# KiCad board 8851_HW-U1-VCU118_REV2-0_071417.kicad_pcb (continued)
## Routing (per net, layer and track width the routed paths; a pad name or vN(x,y) marks a point on that pad's centre or on a via; arc(x,y) is an arc through that point) (continued)
10N9607: length 0.7
  TOP w0.15: 134.58,50.53 v2(135.08,50.04)
10N9644: length 0.7
  TOP w0.15: 133.6,51.52 v2(134.09,51.03)
10N9645: length 0.7
  TOP w0.15: v2(139.01,48.07) 138.52,48.57
11N5838: length 0.7
  TOP w0.15: 117.85,49.55 v2(118.34,49.06)
11N5839: length 0.7
  TOP w0.15: 117.85,50.53 v2(118.34,50.04)
11N8666: length 0.7
  TOP w0.15: v2(126.22,50.04) 125.73,50.53
11N8667: length 0.7
  TOP w0.15: v2(126.22,49.06) 125.73,49.55
11N8774: length 0.7
  TOP w0.15: v2(113.42,50.04) 113.91,50.53
11N8775: length 0.7
  TOP w0.15: v2(113.42,49.06) 113.91,49.55
11N9044: length 0.7
  TOP w0.15: 127.69,50.53 v2(128.19,50.04)
11N9045: length 0.7
  TOP w0.15: 127.69,49.55 v2(128.19,49.06)
12N5415: length 0.7
  TOP w0.15: 131.63,62.35 v2(132.12,61.85)
17N1467: length 2.1
  TOP w0.138: U19.18 61.08,141.57 61.27,141.38 61.56,141.38 v3(62.06,141.88)
17N1575: length 3.4
  TOP w0.15: 6.05,169.16 6.05,167.56 v3(5.67,167.18)
  BOTTOM w0.138: R575.2 v3(5.67,167.18)
17N1576: length 22
  TOP w0.15: v3(11.1,165.23) 10.97,165.35 10.97,169.16
  TOP w0.375: v3(16.8,152.38) 16.8,150.28 16.49,149.96 U115.3 15.11,149.96 14.88,150.2 v3(14.88,152.38)
  BOTTOM w0.15: v3(11.1,165.23) 13,163.32 13,159.8 9.67,156.47 R574.2
17N1577: length 20.2
  TOP w0.15: 15.89,169.16 15.89,166.57 14.95,165.62 14.95,155.1 13.75,153.9 v3(11,153.9)
  BOTTOM w0.15: R573.2 v3(11,153.9)
17N1924: length 4.9
  TOP w0.15: U19.2 v3(52.48,144.77)
  BOTTOM w0.15: 54.16,146.76 53.73,146.33 53.73,145.68 52.82,144.77 v3(52.48,144.77)
17N2056: length 1.2
  BOTTOM w0.15: U13.4 36.37,67.54 v3(36.51,67.41)
17N2120: length 5
  TOP w0.15: 4.05,81.66 6.14,81.66 6.58,82.1 v3(6.58,83.3)
  BOTTOM w0.15: v3(6.58,83.3) 7.12,82.76 7.48,82.76
17N2123: length 11
  TOP w0.375: 4.37,85.4 4.02,85.4 3.1,86.33 1.3,86.33 ; 4.37,85.4 4.37,84.49 4.37,84.49 ; 4.37,85.4 4.57,85.4 5.54,86.37 R1324.1 ; 1.29,78.3 3.42,78.3 4.37,79.25 4.37,80.11 4.37,80.11
17N2634: length 64.5
  TOP w0.15: 3.34,154.64 v3(3.34,152.22)
  07_SIG3 w0.17: v3(3.34,152.22) 6.69,148.88 21.57,148.88 25.15,145.3 26,145.3 27.45,143.85 27.45,143 30.43,140.03 40.77,140.03 41.15,140.4 42.2,140.4 42.9,139.7 42.9,131.15 46.5,127.55 J17.1
17N2635: length 23.3
  TOP w0.15: 3.34,159.56 v3(1.18,159.56)
  03_SIG1 w0.17: J18.1 9.12,144.18 9.12,148.88 6.42,151.58 6.42,154.32 v3(1.18,159.56)
17N2674: length 32.2
  TOP w0.15: 3.34,164.48 v3(3.34,166.96)
  05_SIG2 w0.17: J19.1 10.75,152.88 10.22,153.4 10.22,155.83 10.8,156.41 10.8,164.78 10.07,165.5 10.07,166.37 8.3,168.15 4.53,168.15 v3(3.34,166.96)
  BOTTOM w0.15: R140.2 3.48,166.82 v3(3.34,166.96)
18N3158: length 0.6
  BOTTOM w0.15: 67.67,39.61 v1(67.28,39.21)
18N4182: length 0.6
  BOTTOM w0.15: 67.67,67.36 v1(67.28,66.96)
20N153: length 0.6
  BOTTOM w0.15: 67.67,95.11 v1(67.28,94.71)
20N1721: length 0.6
  BOTTOM w0.15: 67.67,81.23 v1(67.28,80.84)
21N4739: length 2.4
  TOP w0.375: R565.2 82.45,92.29 R566.2 C639.2
21N5660: length 0.6
  BOTTOM w0.15: 67.67,53.48 v1(67.28,53.09)
22N1524: length 0.9
  TOP w0.15: J22.B1 v3(105.25,157)
22N1551: length 0.9
  TOP w0.15: J22.D34 v3(64,159.5)
22N1554: length 0.9
  TOP w0.15: J22.B40 v3(56.5,157)
23N1212: length 0.9
  TOP w0.15: J22.E21 v3(80.25,160.75)
23N1215: length 0.9
  TOP w0.15: J22.E22 v3(79,160.75)
23N1218: length 0.9
  TOP w0.15: J22.E24 v3(76.5,160.75)
23N1220: length 0.9
  TOP w0.15: J22.E25 v3(75.25,160.75)
23N1224: length 0.9
  TOP w0.15: J22.E27 v3(72.75,160.75)
23N1226: length 0.9
  TOP w0.15: J22.E28 v3(71.5,160.75)
23N1230: length 0.9
  TOP w0.15: J22.E30 v3(69,160.75)
23N1232: length 0.9
  TOP w0.15: J22.E31 v3(67.75,160.75)
23N1236: length 0.9
  TOP w0.15: J22.E33 v3(65.25,160.75)
23N1238: length 0.9
  TOP w0.15: J22.E34 v3(64,160.75)
23N1242: length 0.9
  TOP w0.15: J22.E36 v3(61.5,160.75)
23N1244: length 0.9
  TOP w0.15: J22.E37 v3(60.25,160.75)
23N1248: length 0.9
  TOP w0.15: J22.F22 v3(79,162)
23N1251: length 0.9
  TOP w0.15: J22.F23 v3(77.75,162)
23N1254: length 0.9
  TOP w0.15: J22.F25 v3(75.25,162)
23N1256: length 0.9
  TOP w0.15: J22.F26 v3(74,162)
23N1260: length 0.9
  TOP w0.15: J22.F28 v3(71.5,162)
23N1262: length 0.9
  TOP w0.15: J22.F29 v3(70.25,162)
23N1266: length 0.9
  TOP w0.15: J22.F31 v3(67.75,162)
23N1268: length 0.9
  TOP w0.15: J22.F32 v3(66.5,162)
23N1272: length 0.9
  TOP w0.15: J22.F34 v3(64,162)
23N1274: length 0.9
  TOP w0.15: J22.F35 v3(62.75,162)
23N1278: length 0.9
  TOP w0.15: J22.F37 v3(60.25,162)
23N1280: length 0.9
  TOP w0.15: J22.F38 v3(59,162)
24N1169: length 0.9
  TOP w0.15: J22.J24 v3(76.5,165.75)
24N1172: length 0.9
  TOP w0.15: J22.J25 v3(75.25,165.75)
24N1175: length 0.9
  TOP w0.15: J22.J27 v3(72.75,165.75)
24N1178: length 0.9
  TOP w0.15: J22.J28 v3(71.5,165.75)
24N1181: length 0.9
  TOP w0.15: J22.J30 v3(69,165.75)
24N1184: length 0.9
  TOP w0.15: J22.J31 v3(67.75,165.75)
24N1187: length 0.9
  TOP w0.15: J22.J33 v3(65.25,165.75)
24N1189: length 0.9
  TOP w0.15: J22.J34 v3(64,165.75)
24N1193: length 0.9
  TOP w0.15: J22.J36 v3(61.5,165.75)
24N1195: length 0.9
  TOP w0.15: J22.J37 v3(60.25,165.75)
24N1199: length 0.9
  TOP w0.15: J22.J39 v3(57.75,165.75)
24N1202: length 0.9
  TOP w0.15: J22.K25 v3(75.25,167)
24N1205: length 0.9
  TOP w0.15: J22.K26 v3(74,167)
24N1208: length 0.9
  TOP w0.15: J22.K28 v3(71.5,167)
24N1211: length 0.9
  TOP w0.15: J22.K29 v3(70.25,167)
24N1214: length 0.9
  TOP w0.15: J22.K31 v3(67.75,167)
24N1217: length 0.9
  TOP w0.15: J22.K32 v3(66.5,167)
24N1220: length 0.9
  TOP w0.15: J22.K34 v3(64,167)
24N1223: length 0.9
  TOP w0.15: J22.K35 v3(62.75,167)
24N1226: length 0.9
  TOP w0.15: J22.K37 v3(60.25,167)
24N1229: length 0.9
  TOP w0.15: J22.K38 v3(59,167)
24N1232: length 0.9
  TOP w0.15: J22.K40 v3(56.5,167)
24N1235: length 0.9
  TOP w0.15: J22.K1 v3(105.25,167)
24N1238: length 0.9
  TOP w0.15: J22.K4 v3(101.5,167)
24N1241: length 0.9
  TOP w0.15: J22.K5 v3(100.25,167)
24N1244: length 0.9
  TOP w0.15: v3(104,165.75) J22.J2
24N1247: length 0.9
  TOP w0.15: J22.J3 v3(102.75,165.75)
25N293: length 9.7
  BOTTOM w0.375: v3(109.62,160.42) 110.06,159.99 C466.1 ; 113.05,159.99 112.55,160.49 112.55,163.94 J22.ST2 112.51,164.17 110,166.68
25N294: length 12
  BOTTOM w0.375: C467.1 v3(49.09,160.14) ; 50.86,169.49 50.86,167.07 50.51,166.73 J22.ST1 52.09,162.4 52.09,160.14 ; R345.1 v3(49.17,169.49)
26N1212: length 0.9
  TOP w0.15: J2.E21 v3(149.15,160.75)
26N1215: length 0.9
  TOP w0.15: J2.E22 v3(147.9,160.75)
26N1218: length 0.9
  TOP w0.15: J2.E24 v3(145.4,160.75)
26N1220: length 0.9
  TOP w0.15: J2.E25 v3(144.15,160.75)
26N1224: length 0.9
  TOP w0.15: J2.E27 v3(141.65,160.75)
26N1226: length 0.9
  TOP w0.15: J2.E28 v3(140.4,160.75)
26N1230: length 0.9
  TOP w0.15: J2.E30 v3(137.9,160.75)
26N1232: length 0.9
  TOP w0.15: J2.E31 v3(136.65,160.75)
26N1236: length 0.9
  TOP w0.15: J2.E33 v3(134.15,160.75)
26N1238: length 0.9
  TOP w0.15: J2.E34 v3(132.9,160.75)
26N1242: length 0.9
  TOP w0.15: J2.E36 v3(130.4,160.75)
26N1244: length 0.9
  TOP w0.15: J2.E37 v3(129.15,160.75)
26N1248: length 0.9
  TOP w0.15: J2.F22 v3(147.9,162)
26N1251: length 0.9
  TOP w0.15: J2.F23 v3(146.65,162)
26N1254: length 0.9
  TOP w0.15: J2.F25 v3(144.15,162)
26N1256: length 0.9
  TOP w0.15: J2.F26 v3(142.9,162)
26N1260: length 0.9
  TOP w0.15: J2.F28 v3(140.4,162)
26N1262: length 0.9
  TOP w0.15: J2.F29 v3(139.15,162)
26N1266: length 0.9
  TOP w0.15: J2.F31 v3(136.65,162)
26N1268: length 0.9
  TOP w0.15: J2.F32 v3(135.4,162)
26N1272: length 0.9
  TOP w0.15: J2.F34 v3(132.9,162)
26N1274: length 0.9
  TOP w0.15: J2.F35 v3(131.65,162)
26N1278: length 0.9
  TOP w0.15: J2.F37 v3(129.15,162)
26N1280: length 0.9
  TOP w0.15: J2.F38 v3(127.9,162)
26N1653: length 0.9
  TOP w0.15: J2.F4 v3(170.4,162)
26N1655: length 0.9
  TOP w0.15: J2.F5 v3(169.15,162)
26N1657: length 0.9
  TOP w0.15: J2.F7 v3(166.65,162)
26N1659: length 0.9
  TOP w0.15: J2.F8 v3(165.4,162)
26N1665: length 0.9
  TOP w0.15: J2.F10 v3(162.9,162)
26N1667: length 0.9
  TOP w0.15: J2.F11 v3(161.65,162)
26N1669: length 0.9
  TOP w0.15: J2.F13 v3(159.15,162)
26N1671: length 0.9
  TOP w0.15: J2.F14 v3(157.9,162)
26N1677: length 0.9
  TOP w0.15: J2.F16 v3(155.4,162)
26N1679: length 0.9
  TOP w0.15: J2.F17 v3(154.15,162)
26N1681: length 0.9
  TOP w0.15: v3(151.65,162) J2.F19
26N1683: length 0.9
  TOP w0.15: J2.F20 v3(150.4,162)
26N1689: length 0.9
  TOP w0.15: J2.E15 v3(156.65,160.75)
26N1691: length 0.9
  TOP w0.15: J2.E16 v3(155.4,160.75)
26N1693: length 0.9
  TOP w0.15: J2.E18 v3(152.9,160.75)
26N1695: length 0.9
  TOP w0.15: v3(151.65,160.75) J2.E19
26N1701: length 0.9
  TOP w0.15: J2.E9 v3(164.15,160.75)
26N1703: length 0.9
  TOP w0.15: J2.E10 v3(162.9,160.75)
26N1705: length 0.9
  TOP w0.15: J2.E12 v3(160.4,160.75)
26N1707: length 0.9
  TOP w0.15: J2.E13 v3(159.15,160.75)
26N1713: length 0.9
  TOP w0.15: J2.E2 v3(172.9,160.75)
26N1715: length 0.9
  TOP w0.15: J2.E3 v3(171.65,160.75)
26N1717: length 0.9
  TOP w0.15: J2.E6 v3(167.9,160.75)
26N1719: length 0.9
  TOP w0.15: J2.E7 v3(166.65,160.75)
29N3158: length 0.6
  TOP w0.15: 164.53,49.57 v1(164.92,49.17)
29N4153: length 0.6
  TOP w0.15: 164.53,63.44 v1(164.92,63.05)
30N3618: length 0.7
  TOP w0.15: v2(101.61,54.96) 102.1,55.46
30N3619: length 0.7
  TOP w0.15: v2(107.52,56.93) 108.01,57.42 108.01,57.42
30N4994: length 0.7
  TOP w0.15: v2(124.25,62.84) 123.76,63.33
31N2260: length 6.2
  BOTTOM w0.175: 223.01,109.96 224.84,109.96 225.14,109.66 225.76,109.66 226.12,109.3 226.8,109.3 227.62,108.47 228.62,108.47
31N2264: length 5.9
  BOTTOM w0.175: U164.33 230.98,111.61 230.29,112.3 228.62,112.3 227.79,113.13 227.79,113.92
31N2266: length 5.2
  BOTTOM w0.175: 229.04,113.92 229.04,113.01 229.38,112.67 230.47,112.67 231.47,111.67 U164.32
31N2267: length 4.3
  BOTTOM w0.175: U164.31 231.96,111.8 230.29,113.47 230.29,113.92
31N2351: length 3.1
  BOTTOM w0.175: 225.42,105.92 223.51,105.92 223.01,106.41 223.01,106.85
31N2375: length 1.1
  BOTTOM w0.175: 224.26,108.98 225.37,108.98 225.39,108.96
31N3241: length 7.1
  BOTTOM w0.175: U164.6 227.63,106.99 224.92,104.29 224.92,103.28 223.67,103.28
31N3243: length 4.6
  BOTTOM w0.175: 224.26,106.85 224.82,106.85 224.88,106.9 226.04,106.9 226.62,107.49 U164.5
31N3245: length 6.8
  BOTTOM w0.175: 223.01,108.98 223.01,107.84 224.75,107.84 224.89,107.98 225.39,107.98 225.39,107.98 227.46,107.98 U164.4
31N3247: length 6.1
  BOTTOM w0.175: 230.49,110.34 230.49,111.36 229.97,111.88 228.42,111.88 226.54,113.76 226.54,113.92
31N3249: length 7
  BOTTOM w0.175: 229.99,110.34 229.99,111.07 229.92,111.14 229.92,111.16 229.67,111.41 228.29,111.41 226.66,113.05 225.5,113.05 225.29,113.26 225.29,113.92
31N3619: length 43.9
  TOP w0.175: v2(208.41,102.77) 208.71,103.07 210.21,103.07 210.37,102.91 210.37,102.82
  TOP w0.212: 210.37,102.82 210.37,102.32
  03_SIG1 w0.17: v2(208.41,102.77) 208.41,108.61 211.47,111.66 214.99,111.66 215.33,112 218.26,112 219.31,110.95 219.31,110.24 219.42,110.13 220.39,109.16 220.57,109.16 220.61,109.12 221.39,109.12 225.7,104.81 235.77,104.81 v3(236.39,105.42)
  BOTTOM w0.275: v3(236.39,105.42) 235.81,106 234.71,106 234.7,106.01 U164.20
31N5850: length 18.9
  TOP w0.15: 232.79,113.92 v3(232.79,112.98)
  BOTTOM w0.175: 222.66,98.29 223.34,98.29 223.47,98.42 223.92,98.42 224.23,98.73 224.5,98.73 225.17,99.4 225.62,99.86 225.62,101.92 225.88,102.17 225.88,103.99 227.89,106.01 228.62,106.01
  BOTTOM w0.25: 234.29,113.87 233.54,113.87 233.5,113.91 232.79,113.91 ; U164.29 232.95,111.87 233.12,112.05 233.12,112.65 v3(232.79,112.98) 232.79,113.91 ; 232.79,113.91 231.54,113.91
31N5852: length 1.2
  BOTTOM w0.175: C1637.1 221.68,98.29
32N2260: length 4.2
  TOP w0.15: 169.63,42.88 169.63,43.86 170.16,43.86 171.05,44.75 171.65,44.75 171.85,44.95 172.39,44.95
32N2264: length 8.8
  TOP w0.15: 168.64,43.86 168.18,43.86 v3(167.88,43.56) ; v3(170.45,45.03) 170.68,45.25 171.55,45.25 171.75,45.45 172.39,45.45
  BOTTOM w0.15: 168.64,42.46 168.64,42.54 167.88,43.29 v3(167.88,43.56) 167.88,44.08 168.49,44.69 R1259.1 169.1,45.17 169.1,45.31 169.61,45.81 170.01,45.81 170.45,45.38 v3(170.45,45.03)
32N2266: length 7.6
  TOP w0.15: 172.39,45.94 171.74,45.94 171.43,45.62 170.91,45.62 170.59,45.95 170.07,45.95 169.84,45.71 169.84,45.06 C1695.2 169.23,45.24 169.23,45.46 168.35,46.34 168.16,46.34 167.88,46.62 v3(167.88,46.96)
  BOTTOM w0.15: v3(167.88,46.96) 167.9,46.94 168.62,46.94
32N2267: length 3.1
  TOP w0.15: 172.39,46.43 171.68,46.43 171.58,46.33 170.22,46.33 169.84,46.71 169.61,46.94
32N2291: length 3.3
  TOP w0.15: 169.61,49.19 170.54,49.19 171.82,47.91 172.39,47.91
32N2351: length 4.8
  BOTTOM w0.15: 169.61,46.94 171.13,45.41 171.13,44.67 170.66,44.2 170.1,44.2 R1259.2
32N2375: length 3.6
  TOP w0.15: 168.64,42.88 168.2,42.88 v3(167.88,42.55)
  BOTTOM w0.15: 169.62,42.46 169.62,42.08 169.44,41.89 168.18,41.89 167.88,42.2 v3(167.88,42.55)
32N3243: length 2.3
  TOP w0.15: 175.24,43.08 175.24,42.03 v3(175.47,41.8)
  BOTTOM w0.15: 175.87,42.57 175.87,42.19 v3(175.47,41.8)
32N3398: length 4.9
  TOP w0.25: 173.76,48.79 173.76,49.91 173.25,50.42 173.25,51.92 173.53,52.21 L97.2
32N3515: length 4.5
  TOP w0.15: v3(176.63,50.71) 176.23,50.3 176.23,48.79
  BOTTOM w0.15: v3(176.63,50.71) 176.63,49.95 175.51,48.82 175.49,48.82
32N3990: length 6.5
  TOP w0.15: 181.85,62.97 181.31,62.97 181.06,63.22 v3(181.06,63.95) 180.89,64.12 178.76,64.12
  BOTTOM w0.15: 178.76,64.12 179.18,64.12 179.52,63.78 180.88,63.78 v3(181.06,63.95)
32N4051: length 4
  TOP w0.15: R1278.2 v3(180.4,59.16) 180.4,59.21 181.32,60.13 181.32,60.65 181.67,61 181.85,61
  BOTTOM w0.15: R1278.2 v3(180.4,59.16)
32N5850: length 6.8
  TOP w0.15: 168.64,48.58 v3(170.38,48.58) 170.62,48.58 171.79,47.42 172.39,47.42 ; 168.64,48.58 168.64,47.96 ; 168.64,48.58 168.64,49.17 R1233.1
  BOTTOM w0.15: v3(170.38,48.58) 170.38,49.04 170.24,49.19 R1255.2
32N5852: length 1.2
  BOTTOM w0.15: 168.62,49.19 168.62,47.98 C1722.1
32N7064: length 2.9
  TOP w0.15: v3(172.11,41.74) 172.77,42.4 172.97,42.4 173.27,42.7 U165.10
  BOTTOM w0.15: v3(172.11,41.74) 172.01,41.84 172.01,42.43 171.87,42.57
32N8319: length 2.3
  TOP w0.15: v3(167.9,45.81) 167.9,44.99 168.04,44.85 C1695.1
  BOTTOM w0.15: v3(167.9,45.81) 168.62,45.81
32N9732: length 1.9
  TOP w0.15: v3(170.35,62.39) 170.1,62.64 170.1,63.39
  BOTTOM w0.15: 170.35,63.15 v3(170.35,62.39)
34N153: length 0.6
  TOP w0.15: 164.53,77.32 v1(164.92,76.92)
34N2121: length 0.6
  TOP w0.15: 164.53,91.19 v1(164.92,90.8)
35N3590: length 2.2
  TOP w0.138: 162.68,21.11 162.68,22.2 162.61,22.27 162.61,23.28
35N3592: length 8
  TOP w0.15: 163.18,21.11 163.18,21.95 163.47,22.24 166.21,22.24 166.65,22.68 166.65,23.77 166.24,24.17 165.56,24.86 164.78,24.86
35N3680: length 0.9
  TOP w0.375: 165.36,14.49 165.54,14.49 165.6,14.43 165.75,14.43 v3(166.12,14.8)
35N3787: length 3.8
  TOP w0.15: U122.13 163.87,16.93 164.12,16.68 165.33,16.68 165.37,16.63 165.37,15.48 165.36,15.47
35N4466: length 4.1
  TOP w0.15: v3(199.97,21.77) 199.88,21.68 199.25,21.68 198.91,21.34 R28.2
  BOTTOM w0.15: v3(199.97,21.77) 200.59,21.16 200.59,19.98
35N4470: length 2.5
  TOP w0.375: 197.96,15.3 197.96,14.46 v3(198.09,14.34)
  BOTTOM w0.375: U18.1 v3(198.09,14.34)
35N4621: length 34.7
  TOP w0.102: U157.2 170.28,16.3 170.15,16.44 169.91,16.44 169.67,16.67 169.67,17.35 170.47,18.15 170.47,18.85 170.06,19.26
  TOP w0.138: 173.83,15.81 174.41,15.81 v3(174.8,15.43)
  14_SIG4 w0.087: v3(174.8,15.43) 175.72,16.35 191.65,16.35 194.28,18.98 196.32,18.98 197.75,20.4 197.75,23.43
  BOTTOM w0.15: 173.99,15.98 174.24,15.98 v3(174.8,15.43)
36N1657: length 50.6
  TOP w0.102: 102.58,27.14 102.9,26.81 102.9,25.39 102.25,24.74 102.25,24.1 102.48,23.87 102.68,23.87 102.81,23.74 U104.2
  TOP w0.15: v3(102.43,22.27) 103.39,21.3 104.27,21.3 104.47,21.51 104.47,22.02
  18_SIG6 w0.087: 63.45,20.52 64.28,19.7 69.9,19.7 71.72,21.52 75.28,21.52 75.88,22.12 78.28,22.12 79.5,20.9 88.47,20.9 89.15,21.58 97.12,21.58 97.7,21 101.16,21 v3(102.43,22.27)
  BOTTOM w0.15: 103.5,22.43 102.59,22.43 v3(102.43,22.27)
36N1876: length 3.4
  TOP w0.15: 94.44,28.95 94.44,26.52
  TOP w0.375: v3(96.29,28.77) 96.11,28.95 R86.2
36N2434: length 1.7
  BOTTOM w0.15: R126.2 33,83.83
38N7682: length 3.9
  TOP w0.15: R30.2 30.25,133.4 31.37,134.53 31.37,134.9 32.16,135.69 32.8,135.69
38N7683: length 7.3
  TOP w0.15: 32.8,135.19 32.17,135.19 31.87,134.9 31.87,134.11 31.52,133.77 31.52,133.1 31.37,132.95 31.37,132.22 30.95,131.8 30.95,129.93 30.58,129.55 R29.2
38N7684: length 3.9
  TOP w0.15: R31.2 30.25,134.65 30.89,135.29 30.89,135.93 31.63,136.66 32.79,136.66 32.8,136.67
38N7725: length 3
  TOP w0.138: v3(32.5,133.3) 32.77,133.58 33.3,133.58 33.51,133.79 33.51,133.99
  BOTTOM w0.15: v3(32.5,133.3) 33.25,132.55 33.25,132.02
38N7726: length 7.7
  TOP w0.15: v3(31.93,129.35) 31.3,129.97 31.3,131.66 31.72,132.08 31.72,132.26 32.08,132.62 32.55,132.62 32.98,133.05 33.6,133.05 34,133.45 34,133.99
  BOTTOM w0.15: v3(31.93,129.35) 32.25,129.02 32.25,128.48
38N10484: length 1.5
  TOP w0.15: v3(31.5,135.78) 31.9,136.18 32.8,136.18
38N10574: length 4.8
  TOP w0.15: U7.48 33.51,141.52 31.25,143.78
  BOTTOM w0.375: 33.75,140.79 v3(32.87,140.79)
38N10790: length 3.7
  TOP w0.15: 30.11,135.9 30.37,135.9 31.43,136.96 31.43,137.41 31.68,137.66 32.79,137.66 32.8,137.65
38N10890: length 2.8
  TOP w0.138: 41.39,145.18 v3(40.45,145.18)
  BOTTOM w0.15: 41.46,145.18 v3(40.45,145.18)
  BOTTOM w0.375: R33.2 v3(42.45,144.3)
38N12235: length 4.5
  TOP w0.15: 26.65,150.98 29.51,150.98 30.03,150.47
  TOP w0.375: 26.65,151.97 v3(25.72,151.97)
38N12237: length 4.9
  TOP w0.15: 26.68,154.21 29.79,154.21 31.03,152.97
38N12239: length 25.4
  TOP w0.15: 33,145.02 v3(32.07,145.02)
  05_SIG2 w0.17: 41.02,152.97 39.49,154.5 30.18,154.5 28.38,152.7 28.38,147.3 29.27,146.4 31.37,146.4 32.07,145.7 v3(32.07,145.02)
38N12241: length 3
  TOP w0.15: C1781.1 42.08,150.53 42.02,150.47
39N5824: length 2.5
  TOP w0.15: U133.14 155.09,23.27 155.12,23.31
39N5868: length 2.5
  BOTTOM w0.15: 143.39,23.27 141.28,23.27 141,23.56
40N107: length 4.6
  TOP w0.15: v3(145.22,110.78) 146.12,111.68 146.12,112.55 R399.2
  BOTTOM w0.15: 146.44,110.78 v3(145.22,110.78)
40N4216: length 5.5
  TOP w0.15: v3(16.95,62.75) 16.95,62.97 15.66,64.27 U34.9
  BOTTOM w0.15: v3(16.95,62.75) 16.67,62.47 15.64,62.47
  BOTTOM w0.375: v3(13.97,63.75) 14.66,63.06 R498.1
40N4217: length 6.9
  TOP w0.138: U34.6 13.92,65.13 v3(13.29,64.51)
  TOP w0.15: 12.4,63.35 12.9,63.35 13.29,63.74 v3(13.29,64.51)
  TOP w0.375: v3(11.57,62.45) 11.41,62.61 C54.1
  BOTTOM w0.15: v3(13.29,64.51) 12.63,64.51 12.31,64.18 12.31,63.35
  BOTTOM w0.375: v3(10.6,62.45) 10.75,62.6 C470.1
40N4218: length 5.2
  TOP w0.15: 4.05,69.04 6.36,69.04 6.63,69.31 v3(6.63,70.75)
  BOTTOM w0.15: v3(6.63,70.75) 7.25,70.13 7.48,70.13
40N4221: length 11
  TOP w0.375: 4.37,72.78 4.57,72.78 5.54,73.75 R1325.1 ; 4.37,72.78 4.19,72.78 3.24,73.72 1.29,73.72 ; 4.37,72.78 4.37,71.87 4.37,71.87 ; 1.29,65.67 3.42,65.67 4.37,66.62 4.37,67.48 4.37,67.48
40N4233: length 0.8
  TOP w0.15: U34.16 v3(18.67,66.97)
40N4235: length 2.5
  TOP w0.15: U34.10 16.15,64.36 17.24,63.27 v3(17.79,63.27)
40N4237: length 1.3
  TOP w0.138: U34.11 16.64,64.41 17.18,63.87 v3(17.36,63.87)
40N4241: length 2
  TOP w0.138: v3(19.55,68.22) 18.91,67.58 18.54,67.58 18.43,67.46 U34.17
40N4295: length 6
  BOTTOM w0.15: 9.88,69.94 9.91,69.92 12.01,69.92 12.62,69.3 v3(12.62,68.83) 12.62,68 12.17,67.54 12.17,67.12 12.03,66.98 11.61,66.98
40N4316: length 1.5
  TOP w0.15: U34.19 17.13,69.32 v3(17,69.46)
  BOTTOM w0.15: 17,70.16 v3(17,69.46)
40N4317: length 5.6
  TOP w0.15: v3(19.43,68.98) 18.4,67.96 U34.18
  BOTTOM w0.15: v3(19.43,68.98) 20.04,68.98 20.88,68.15 Q54.3
40N4318: length 4.8
  TOP w0.15: v3(13.25,69.46) 13.39,69.32 15.9,69.32 16.15,69.07 U34.21
  BOTTOM w0.15: 13.25,70.16 v3(13.25,69.46)
  BOTTOM w0.375: 12.86,70.94 v3(12.86,71.64)
40N4319: length 2.5
  TOP w0.15: U34.20 16.64,69.11 16.05,69.7 v3(16.05,69.98)
  BOTTOM w0.15: v3(16.05,69.98) 15.87,70.16 15.12,70.16
40N5167: length 2.1
  TOP w0.15: v3(19.65,67.1) 18.95,66.39 18.42,66.39 18.33,66.48 U34.15
40N5170: length 1.7
  TOP w0.15: v3(19.53,66.22) 19.29,65.99 U34.14
40N5326: length 3.5
  TOP w0.15: U34.13 18.63,65.49 18.78,65.35 v3(18.93,65.35)
  BOTTOM w0.15: Q56.3 20.08,64.19 v3(18.93,65.35)
40N5328: length 2.7
  TOP w0.15: U34.12 17.19,64.74 17.61,64.32 v3(18.88,64.32)
  BOTTOM w0.15: Q57.3 v3(18.88,64.32)
41N94: length 10.1
  TOP w0.15: 205.07,28.85 v3(205.07,27.15) 205.07,19.9
  BOTTOM w0.15: 205.07,28.25 v3(205.07,27.15)
41N96: length 11.4
  TOP w0.15: 219.37,28.85 v3(219.37,27.15) 219.37,19.9
  BOTTOM w0.15: 219.37,28.38 v3(219.37,27.15)
  BOTTOM w0.375: 219.37,29.36 v3(220.59,29.36)
41N97: length 13.2
  TOP w0.375: v3(209.86,33.85) SW10.1 ; v3(214.45,33.85) SW10.2
  BOTTOM w0.375: 217.73,34.1 214.7,34.1 v3(214.45,33.85) v3(209.86,33.85) ; R839.2 v3(219.62,34.1)
41N2776: length 11.9
  TOP w0.15: 207.75,14.9 v3(215,14.9) 216.7,14.9
  BOTTOM w0.15: v3(215,14.9) 215.27,14.62 216.23,14.62
  BOTTOM w0.375: R837.2 217.21,15.36 217.47,15.62 217.47,15.63 v3(217.85,16.01)
41N2778: length 10.2
  TOP w0.15: 207.75,22.15 v3(215,22.15) 216.7,22.15
  BOTTOM w0.15: 216.23,22.15 v3(215,22.15)
41N3761: length 3.9
  TOP w0.15: 217.38,166.93 217.97,166.93 218.19,166.71 v3(218.19,166.09)
  BOTTOM w0.15: 217.38,167.78 217.99,167.78 218.19,167.57 v3(218.19,166.09)
41N3762: length 3.9
  TOP w0.15: v3(216.56,166.09) 216.56,166.71 216.34,166.93 215.75,166.93
  BOTTOM w0.15: 215.75,167.78 216.36,167.78 216.56,167.57 v3(216.56,166.09)
41N3763: length 3.9
  TOP w0.15: v3(214.94,166.09) 214.94,166.71 214.72,166.93 214.13,166.93
  BOTTOM w0.15: v3(214.94,166.09) 214.94,167.57 214.74,167.78 214.13,167.78
41N3764: length 3.9
  TOP w0.15: 212.5,166.93 213.09,166.93 213.31,166.71 v3(213.31,166.09)
  BOTTOM w0.15: 212.5,167.78 213.11,167.78 213.31,167.57 v3(213.31,166.09)
41N3765: length 5.5
  TOP w0.15: v3(211.02,165.35) 211.02,166.63 210.72,166.93 210.13,166.93
  BOTTOM w0.15: v3(211.02,165.35) 211.02,167.49 210.74,167.78 210.13,167.78
41N3766: length 3.9
  TOP w0.15: 208.38,166.93 208.96,166.93 209.11,166.78 v3(209.11,166.07)
  BOTTOM w0.15: v3(209.11,166.07) 209.11,167.63 208.96,167.78 208.38,167.78
41N3767: length 3.9
  TOP w0.15: 206.75,166.93 207.34,166.93 207.57,166.71 v3(207.57,166.09)
  BOTTOM w0.15: v3(207.57,166.09) 207.57,167.57 207.36,167.78 206.75,167.78
41N3768: length 3.9
  TOP w0.15: v3(205.94,166.09) 205.94,166.71 205.72,166.93 205.13,166.93
  BOTTOM w0.15: v3(205.94,166.09) 205.94,167.57 205.74,167.78 205.13,167.78
41N3809: length 14.6
  TOP w0.138: 210.13,168.41 v3(210.13,169.33)
  03_SIG1 w0.17: v3(210.13,169.33) 209.07,168.27 209.07,166.87 206.75,164.55 206.75,160.53 207.08,160.19 207.08,159.43 206.7,159.05 v3(206.7,158.11)
  BOTTOM w0.15: Q12.3 v3(206.7,158.11)
41N3810: length 14.8
  TOP w0.138: 214.13,168.41 v3(214.13,169.33)
  03_SIG1 w0.17: v3(210.57,158.11) 210.57,158.8 209.97,159.4 209.97,162.23 210.36,162.62 210.36,165.56 v3(214.13,169.33)
  BOTTOM w0.15: Q14.3 v3(210.57,158.11)
41N3811: length 19.7
  TOP w0.138: 215.75,168.41 v3(215.75,169.33)
  03_SIG1 w0.17: v3(215.75,169.33) 219.12,165.95 219.12,165.81 219.43,165.51 219.43,164.78 218.28,163.63 214.45,163.63 213.17,162.35 213.17,161.66 213.4,161.42 213.4,159.06 v3(212.45,158.11)
  BOTTOM w0.15: Q15.3 v3(212.45,158.11)
41N3812: length 14.5
  TOP w0.138: 212.5,168.41 v3(212.5,169.33)
  03_SIG1 w0.17: v3(208.7,158.11) 208.7,158.82 209.36,159.48 209.36,162.91 209.62,163.17 209.62,166.44 v3(212.5,169.33)
  BOTTOM w0.15: Q13.3 v3(208.7,158.11)
41N3813: length 18.7
  TOP w0.138: 217.38,168.41 v3(217.38,169.33)
  03_SIG1 w0.17: v3(217.38,169.33) 219.7,167 219.7,166.01 219.97,165.74 219.97,164.55 218.51,163.09 214.93,163.09 214.23,162.39 214.23,161.64 213.96,161.37 213.96,159.68 214.45,159.19 v3(214.45,158.11)
  BOTTOM w0.15: Q16.3 v3(214.45,158.11)
41N3814: length 16.3
  TOP w0.138: 208.38,168.41 v3(208.38,169.33)
  03_SIG1 w0.17: v3(204.82,158.11) 205.18,158.47 205.18,160.96 204.09,162.05 204.09,166.82 205.76,168.49 207.54,168.49 v3(208.38,169.33)
  BOTTOM w0.15: Q11.3 v3(204.82,158.11)
41N3815: length 18.5
  TOP w0.138: 206.75,168.41 v3(206.75,169.33)
  18_SIG6 w0.087: v3(206.75,169.33) 202.65,165.22 202.65,162.03 201.7,161.08 201.7,157.98 201.3,157.58 v3(201.3,155.1)
  BOTTOM w0.15: v3(201.3,155.1) 200.82,154.62 Q10.3
41N3816: length 19
  TOP w0.138: 205.13,168.41 v3(205.13,169.33)
  18_SIG6 w0.087: v3(198.9,155.53) 198.9,160.48 200.4,161.98 200.4,166.05 203.68,169.33 v3(205.13,169.33)
  BOTTOM w0.15: v3(198.9,155.53) 198.7,155.32 Q8.3
42N2449: length 3
  BOTTOM w0.15: 61.37,27.16 61.37,29.7 v3(61.73,30.06)
42N2553: length 1.2
  BOTTOM w0.15: 46.42,78.43 v3(47.61,78.43)
42N2555: length 1.2
  BOTTOM w0.15: 40.67,78.43 v3(39.49,78.43)
42N3296: length 5
  BOTTOM w0.15: 46.42,72.67 45.31,72.67 45.2,72.78 45.2,73.15 45.36,73.31 46.42,73.31 46.43,73.31 48.45,73.31
42N3414: length 5.3
  BOTTOM w0.15: 55.61,52.33 55.61,51.51 v3(55.95,51.17) ; 56.25,52.33 56.25,51.48 v3(55.95,51.17) ; v3(55.95,51.17) 55.95,50.36 56.31,50 57.71,50
42N3417: length 7.7
  BOTTOM w0.15: 57.71,24.83 56.28,24.83 v3(55.88,25.23) ; v3(55.88,25.23) 55.61,25.49 55.61,27.16 ; v3(55.88,25.23) 56.25,25.6 56.25,27.16 ; 61.37,32.91 61.37,33.6 v3(62.01,34.24)
